# KiCad board Smoothie2Standard.kicad_pcb (continued)
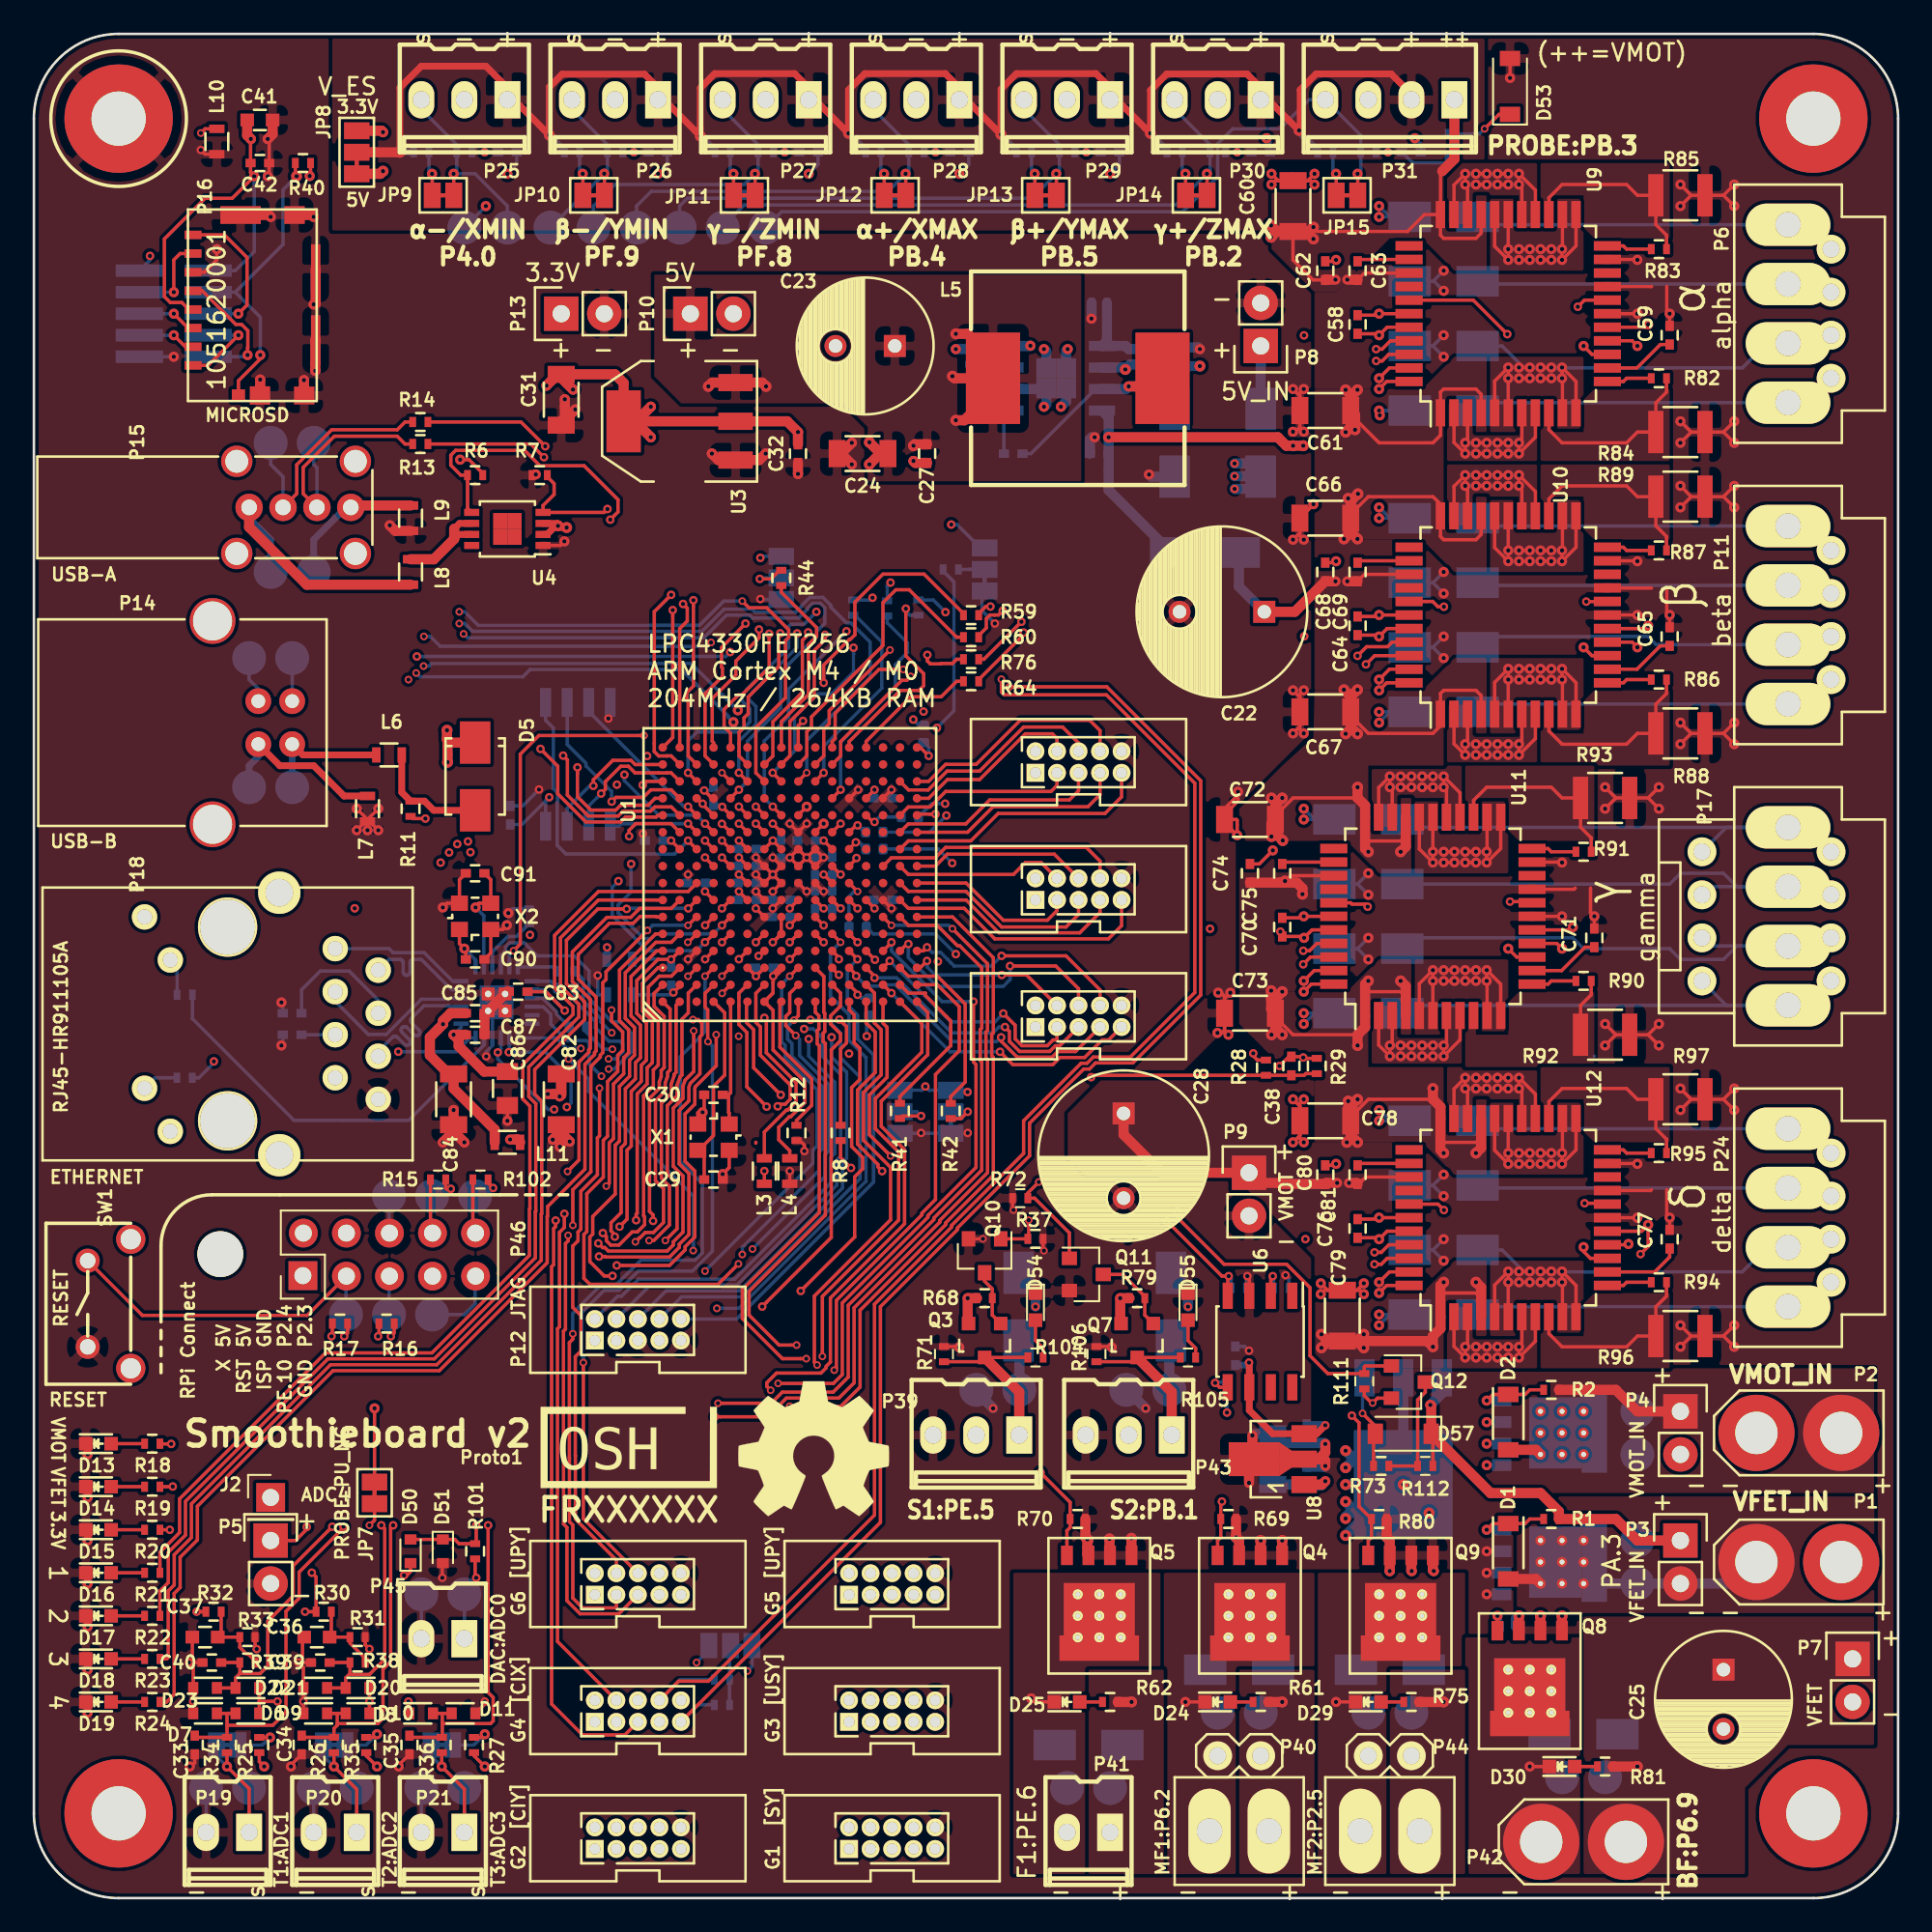
[diagram p0: board, top side]
## Routing (per net, layer and track width the routed paths; a pad name or vN(x,y) marks a point on that pad's centre or on a via; arc(x,y) is an arc through that point) (continued)
/MCU_G4_10: length 27.3
  Top w0.2: R59.1 54.85,75.8 52.53,78.12 50.1,78.12 48.44,76.47 48.44,74.54 48.18,74.28 48.12,74.28 46.6,72.76 v2(46.6,71.71) ; U1.H11 v2(43.6,63.4)
  In3.Cu w0.2: v2(43.6,63.4) 43.1,63.9 43.1,66.15 42.45,66.8 42.45,70.47 42.14,70.79 42.14,70.87 42.48,71.21 42.57,71.21 43.09,71.74 46.22,71.74 46.25,71.71 v2(46.6,71.71)
/MCU_G4_11: length 45.1
  Top w0.2: U4.5 25.82,81.77 25.59,82 25.59,83.56 25.59,83.56 R6.2 25.19,83.97 24.6,84.55 24.6,85.14 24.89,85.43 28.95,85.43 29.86,84.52 32.46,84.52 34.47,82.52 34.47,81.79 v2(34.01,81.34) ; 47.1,62.9 v2(47.6,63.4)
  In4.Cu w0.2: v2(47.6,63.4) 48.11,63.91 48.11,68.8 45.54,71.37 39.22,71.37 34.01,76.59 v2(34.01,81.34)
/MCU_G4_12: length 63.6
  Top w0.2: U1.T1 52.74,52.26 52.74,49.77 50,47.03 50,45.54 51.37,44.17 51.37,39.79 47,35.41 47,31.63 46.75,31.38 46.75,31.29 46.44,30.98 43.82,30.98 43.25,30.41 43.25,30.19 v4(43.47,29.97)
  In3.Cu w0.2: G1.5 49.52,1.78 47.22,1.78 43.85,5.15 43.85,12.47 43.97,12.59 43.97,14.21 43.85,14.33 43.85,28.57 43.76,28.66 43.76,29.68 v4(43.47,29.97)
/MCU_G5_3: length 80.5
  Top w0.2: v2(27.1,41.9) 26.8,42.2 R102.1 ; v3(45.6,64.4) 45.11,63.91 U1.J12
  In3.Cu w0.2: v2(27.1,41.9) 26.65,42.35 24.16,42.35 22.85,43.66 22.85,56.21 19.46,59.6 19.28,59.6 11.05,67.83 11.05,72.04 12.06,73.05 21.13,73.05 21.78,72.4 22.45,72.4 v4(22.56,72.29)
  In4.Cu w0.2: v3(45.6,64.4) 45.6,65.49 41.7,69.39 v3(41.27,69.39)
  Bottom w0.2: v2(27.1,41.9) 26.62,41.42 W21.1 ; v4(22.56,72.29) 22.78,72.06 28.85,72.06 29.28,72.49 38.21,72.49 40.97,69.73 40.97,69.69 v3(41.27,69.39)
/MCU_G5_4: length 84.1
  Top w0.2: v3(46.6,63.4) 46.11,62.91 U1.K11 ; v2(24.6,41.85) 24.35,41.85 24.3,41.9 R15.1
  In3.Cu w0.2: v4(23,72.7) 22.93,72.76 22.33,72.76 21.39,73.7 12.21,73.7 10.7,72.19 10.7,67.69 19.13,59.25 19.31,59.25 22.5,56.07 22.5,43.51 24.16,41.85 v2(24.6,41.85)
  In4.Cu w0.2: 47.1,68.9 47.1,63.9 v3(46.6,63.4) ; 47.1,68.9 47.1,68.9 ; 47.1,68.9 42.73,68.9 v3(41.54,70.09)
  Bottom w0.2: v4(23,72.7) 23.31,72.7 23.46,72.84 38.78,72.84 v3(41.54,70.09) ; W20.1 24.17,41.42 v2(24.6,41.85)
/MCU_G5_5: length 12.2
  Top w0.2: v2(46.6,66.4) 46.11,65.91 U1.K14
  Bottom w0.2: v2(46.6,66.4) 46.6,67.96 50.04,71.4 50.04,74.11 48.45,75.7 R77.1
/MCU_G5_8: length 87.3
  Top w0.2: G4.5 34.87,9.63 32.38,9.63 30.55,11.45 30.55,37.25 30.66,37.37 30.66,39.5 30.79,39.63 v2(30.79,39.98) ; U1.G11 v2(42.6,63.4)
  In3.Cu w0.2: v2(24,61.1) 23.1,60.2 23.1,57.5 26.06,54.54 26.06,45.06 30.79,40.33 v2(30.79,39.98) ; v2(42.6,63.4) 42.1,63.9 42.1,68.03 36.82,68.03 v2(36.18,67.39)
  In4.Cu w0.2: v2(24,61.1) 24,62.49 27.61,66.1 29.11,66.1 30.92,67.91 35.66,67.91 v2(36.18,67.39)
/MCU_G5_9: length 75.9
  Top w0.2: v2(31.3,40.38) 31.3,39.57 31.01,39.29 31.01,33.71 30.9,33.59 30.9,15.14 G4.4 ; U1.F11 v2(41.6,63.4)
  In3.Cu w0.2: v2(24.5,61.7) 24.75,61.45 24.75,57.78 28.55,53.98 28.55,51.65 28.52,51.62 28.52,48.38 28.42,48.28 28.42,46.62 28.65,46.4 28.65,42.99 31.27,40.38 v2(31.3,40.38) ; v2(41.6,63.4) 41.12,63.88 40.44,63.88 40.43,63.89 36.51,63.89 34.7,65.7 v2(34.4,65.7)
  In4.Cu w0.2: v2(34.4,65.7) 33.97,66.13 32.77,66.13 32.72,66.08 29.59,66.08 29.24,65.74 27.74,65.74 24.48,62.48 24.48,62.07 24.5,62.05 v2(24.5,61.7)
/MCU_G5_12: length 56.8
  Top w0.2: U1.E2 40.61,53.4 v4(40.61,53.39)
  In4.Cu w0.2: v4(40.61,53.39) 40.61,53.03 40.76,52.88 40.76,50.71 40.09,50.03 40.09,40.69 35.62,36.21 33.92,36.21 30.6,32.89 30.6,7.94 G2.4
/MCU_G5_13: length 60.7
  Top w0.2: v2(42.97,34.91) 47.05,38.98 47.05,50.05 47.59,50.59 47.59,50.99 47.02,51.57 47.02,52.06 47.59,52.64 47.59,52.66 47.6,52.66 47.6,53.13 47.59,53.13 47.59,53.41 U1.L2
  In3.Cu w0.2: G2.5 36.83,1.71 38.67,1.71 42.95,5.99 42.95,12.56 43.27,12.88 43.27,13.92 42.95,14.24 42.95,29.18 42.77,29.36 42.77,29.5 42.59,29.68 42.59,30.29 42.75,30.44 42.75,34.68 v2(42.97,34.91)
/MCU_G5_14: length 18.2
  Top w0.2: U1.M3 48.52,54.48 v2(48.52,54.41) ; G7.7 61.46,49.95 60.42,49.95 60.08,49.62 58.02,49.62 57.07,50.57 v2(57.07,50.79)
  Bottom w0.2: v2(57.07,50.79) 56.82,50.54 54.18,50.54 50.84,53.89 50.36,53.89 50.29,53.81 49.12,53.81 v2(48.52,54.41)
/MCU_G5_18: length 45.1
  Top w0.2: 48.1,60.9 48.54,61.34 v2(48.54,61.37) ; v2(33.84,81.97) 33.64,81.77 U4.4 30.05,82.18 30.7,82.83 30.7,83.47 30.3,83.87 R7.2
  In3.Cu w0.2: v2(48.54,61.37) 53.87,66.7 53.87,69.25 53.1,70.01 v2(52.5,70.01)
  In4.Cu w0.2: v2(33.84,81.97) 34.2,81.97 34.55,81.61 34.55,77.24 39.52,72.27 50.23,72.27 v2(52.5,70.01)
/MCU_G5_20: length 65
  Top w0.2: U9.41 80.04,91.89 79.55,91.4 v2(79.2,91.4) ; U1.B15 37.6,67.4 37.35,67.4 37.35,67.39 36.87,67.39 36.61,67.65 36.61,68.13 36.61,68.14 36.61,75.91 v2(37.6,76.9)
  In3.Cu w0.2: v2(79.2,91.4) 78.4,91.4 76.4,89.4 76.4,85.5 75.8,84.9 73.8,84.9 71.4,82.5 62.44,82.5 61.18,83.76 48.03,83.76 47.75,83.48 43.51,83.48 37.6,77.58 v2(37.6,76.9)
/MCU_G5_21: length 26.3
  Top w0.2: U1.A14 36.14,65.89 v2(35.92,65.68) ; v2(52.72,73.36) 52.72,73 52.89,72.83 53.51,72.83 53.53,72.85 54.2,72.85 54.45,73.1 R76.1
  In3.Cu w0.2: v2(35.92,65.68) 35.92,66.91 35.53,67.31 35.53,68.83 39.37,72.67 50.23,72.67 50.91,73.36 v2(52.72,73.36)
/MCU_G5_22: length 85.7
  Top w0.2: U1.B12 37.61,64.39 36.64,64.39 36.39,64.14 34.76,64.14 34.48,63.85 32.72,63.85 31.48,65.09 31.48,67.16 v2(31.23,67.41)
  In3.Cu w0.2: v2(31.23,67.41) 31.23,77.18 28.45,79.96 28.45,93.84 34.46,99.85 68.19,99.85 71,102.66 v2(71,103.02)
  Bottom w0.2: C48.1 v2(71,103.02) R50.1
/MCU_G5_23: length 95.7
  Top w0.2: v2(32.07,66.72) 32.07,64.99 32.86,64.2 34.33,64.2 34.62,64.49 36.24,64.49 36.65,64.89 U1.A13
  In3.Cu w0.2: v2(32.07,66.72) 32.07,76.83 28.8,80.1 28.8,93.7 34.6,99.5 76.74,99.5 79.9,102.66 v2(79.9,103.02)
  Bottom w0.2: R51.1 v2(79.9,103.02) C49.1 81.34,102.4 83.3,102.4 D52.2
/MCU_G5_24: length 69.8
  Top w0.2: v2(35.12,62.66) 35.12,63.01 35.51,63.4 37.6,63.4 U1.B11
  In3.Cu w0.2: v2(53.2,103.02) 53.2,102.66 51.09,100.55 34.17,100.55 27.75,94.13 27.75,79.67 29.33,78.09 29.33,67.65 29.67,67.31 30.62,67.31 31.08,66.86 31.23,66.86 32.31,65.78 32.31,65.47 v2(35.12,62.66)
  Bottom w0.2: C46.1 v2(53.2,103.02) R48.1
/MCU_G5_25: length 76.5
  Top w0.2: v2(29.89,67.81) 30.91,66.8 30.91,65.16 32.57,63.5 34.62,63.5 34.91,63.79 36.72,63.79 36.82,63.89 U1.A12
  In3.Cu w0.2: v2(62.1,103.02) 62.1,102.66 59.64,100.2 34.31,100.2 28.1,93.99 28.1,79.81 29.89,78.02 v2(29.89,67.81)
  Bottom w0.2: R49.1 v2(62.1,103.02) C47.1
/MCU_G5_26: length 65
  Top w0.2: R24.1 7.84,11.58 8.27,12.01 8.27,17.97 8.63,18.33 8.63,20.12 9.65,21.13 9.65,23.12 17.64,31.12 23.92,31.12 30.29,37.49 30.29,40.22 30.32,40.25 30.32,40.81 32.51,43.01 32.51,49.21 33.08,49.77 33.08,49.9 33.17,49.99 33.17,53.17 32.12,54.22 32.12,55.69 33.95,57.52 35.36,57.52 35.77,57.92 36.72,57.92 36.75,57.89 U1.A6
/MCU_G6_10: length 59.9
  Top w0.2: U1.L5 v4(47.6,56.4)
  In3.Cu w0.2: G4.3 35.82,8.95 38.44,8.95 40.93,11.43 40.93,13.92 41.2,14.19 41.2,24.51 41,24.71 41,28 41.02,28.03 41.02,28.77 40.84,28.96 40.84,34.26 v4(40.3,34.8)
  Bottom w0.2: v4(47.6,56.4) 47,55.8 47,53.22 48.1,52.12 48.1,50.6 49.1,49.6 49.1,42.3 41.6,34.8 v4(40.3,34.8)
/MCU_G6_12: length 49.6
  Top w0.2: U1.M1 48.11,52.41 48.4,52.12 48.4,50.47 48.74,50.14 48.74,48.31 48.25,47.82 48.25,44.35 48.9,43.7 48.9,43.03 48.43,42.56 48.43,39.01 v2(45.25,35.83)
  In3.Cu w0.2: G3.4 54.75,17.05 54.75,18.48 54.75,18.48 54.75,19.82 48.44,26.13 48.44,31.68 45.25,34.87 v2(45.25,35.83)
/MCU_G6_13: length 52.3
  Top w0.2: U1.N1 49.11,51.63 49.64,51.1 49.64,48.72 48.6,47.68 48.6,44.49 49.8,43.3 49.8,43.15 v2(50.05,42.9)
  In3.Cu w0.2: G3.5 51.79,9.25 53.67,9.25 56.5,12.08 56.5,17.76 56.5,17.76 56.5,20.54 50.19,26.86 50.19,42.4 50.05,42.54 v2(50.05,42.9)
/MCU_G6_14: length 40.5
  Top w0.2: v4(46.21,31.45) 46.05,31.62 46.05,35.52 50.55,40.02 50.55,43.12 48.95,44.72 48.95,47.53 49.99,48.58 49.99,51.24 49.6,51.64 49.6,53.4 U1.N2
  In3.Cu w0.2: v4(46.21,31.45) 46.4,31.27 46.4,30.78 46.97,30.21 46.97,24.11 G5.8
/MCU_G6_15: length 54
  Top w0.2: U1.P1 50.11,51.63 50.34,51.39 50.34,48.43 49.3,47.39 49.3,45.05 v4(50.55,43.8)
  In3.Cu w0.2: G3.3 50.87,8.9 53.82,8.9 56.85,11.93 56.85,17.61 56.85,17.61 56.85,20.69 50.55,26.99 v4(50.55,43.8)
/MCU_G6_16: length 42.6
  Top w0.2: v4(46.53,31.97) 46.53,35.5 51.03,40 51.03,44.02 49.65,45.4 49.65,47.17 52.39,49.91 52.39,51.61 U1.R1
  In3.Cu w0.2: G5.9 54.05,18.77 54.05,19.53 47.35,26.23 47.35,30.32 46.75,30.92 46.75,31.74 v4(46.53,31.97)
/MCU_G6_17: length 69.2
  Top w0.2: U1.P4 50.6,56.39 v2(50.6,56.4) ; v2(55.44,52.9) 55.44,49.34 55.59,49.19 55.59,43.11 52.75,40.27 52.75,40.17 47.7,35.12 47.7,30.89 47.18,30.37 v4(43.91,30.37)
  In3.Cu w0.2: v4(43.91,30.37) 44.11,30.18 44.11,28.8 44.2,28.71 44.2,14.48 44.32,14.35 44.32,12.45 44.2,12.32 44.2,5.3 47.38,2.13 49.34,2.13 49.37,2.16 G1.3
  Bottom w0.2: v2(55.44,52.9) 53.6,52.9 50.6,55.9 v2(50.6,56.4)
/MCU_G6_18: length 46.8
  Top w0.2: U1.T2 53.31,53.89 54.6,52.6 54.6,50 53.2,48.6 53.2,41.22 52.4,40.42 52.4,40.32 47.35,35.27 47.35,31.28 v4(47.23,31.15)
  In3.Cu w0.2: G5.7 52.68,17.13 53.53,17.13 54.4,18 54.4,18.62 54.4,18.63 54.4,19.67 47.91,26.16 47.91,30.46 v4(47.23,31.15)
/MCU_G6_19: length 64.4
  Top w0.2: U1.P6 v4(50.6,57.4) ; v4(40.2,28.4) 43.3,28.4 44.41,29.51 47.5,29.51 48.4,30.41 48.4,34.83 53.45,39.88 53.45,39.98 56.27,42.8 56.27,49.47 56.18,49.56 56.18,51.1 56.27,51.2 56.27,55.13 v4(54.2,57.2)
  In3.Cu w0.2: G4.6 37.07,13.1 39.4,13.1 40.2,13.9 v4(40.2,28.4)
  Bottom w0.2: v4(54.2,57.2) 54,57.4 v4(50.6,57.4)
/MCU_G6_20: length 64.4
  Top w0.2: v4(40.37,29.2) 43.51,29.2 44.16,29.86 47.16,29.86 48.05,30.74 48.05,34.98 53.1,40.03 53.1,40.13 55.93,42.96 55.93,49.33 55.84,49.42 55.84,51.25 55.93,51.34 55.93,54.89 54.64,56.19 54.51,56.19 53.3,57.39 51.61,57.39 U1.R6
  In3.Cu w0.2: G4.7 37.68,9.63 38.55,9.63 40.58,11.65 40.58,14.06 40.62,14.11 40.62,28.12 40.67,28.17 40.67,28.63 40.37,28.94 v4(40.37,29.2)
/MCU_G6_21: length 65.6
  Top w0.2: U1.T6 54.21,57.89 56.61,55.49 56.61,51.06 56.52,50.96 56.52,49.7 56.61,49.61 56.61,42.65 53.8,39.84 53.8,39.74 48.75,34.69 48.75,30.16 47.62,29.02 v4(44.59,29.02)
  In3.Cu w0.2: v4(44.59,29.02) 44.59,14.58 44.67,14.5 44.67,8.87 G1.4
/MCU_G6_23: length 13
  Top w0.2: U1.T11 55.09,62.89 56.6,64.4 62.2,64.4 62.91,65.11 G9.7
/MCU_G6_27: length 13.8
  Top w0.2: U1.T14 52.79,65.89 53.8,66.9 55.6,66.9 58.2,69.5 62.3,69.5 62.91,68.89 G9.8
/MCU_G6_30: length 13.2
  Top w0.2: G9.6 61.64,68.16 60.7,69.1 58.4,69.1 55.8,66.5 53.88,66.5 52.77,65.38 51.61,65.38 U1.R14
/MCU_G7_5: length 7.6
  Top w0.2: R64.1 54.45,71.8 53.54,70.89 51.74,70.89 49.11,68.25 U1.N16
/MCU_G7_6: length 12.1
  Top w0.2: U1.M16 48.11,68.25 51.12,71.26 52.22,71.26 52.5,71.54 52.5,72.25 51.45,73.3 v2(51.45,76.08)
  Bottom w0.2: R66.1 51.7,75.7 51.45,75.95 v2(51.45,76.08)
/MCU_G7_7: length 66.9
  Top w0.2: v2(44.04,74.63) 43.95,74.55 43.95,72.68 42.15,70.87 42.15,69.89 41.9,69.64 41.9,69.09 41.61,68.8 41.61,68.14 41.61,68.13 41.61,67.65 41.61,67.65 41.61,67.39 U1.F15 ; v2(87.1,58.8) 88.33,58.8 U11.18
  In3.Cu w0.2: v2(87.1,58.8) 82.5,58.8 79.4,61.9 79.4,65.5 74.25,70.65 69.54,70.65 61.57,78.63 61.28,78.63 60.29,79.61 55.14,79.61 55.03,79.49 52.38,79.49 51.65,80.22 49.44,80.22 44.29,75.07 44.29,74.88 v2(44.04,74.63)
/MCU_G7_8: length 61
  Top w0.2: v2(74.9,55.1) 75.33,55.53 U11.42 ; v2(41.6,66.4) 42.11,65.89 U1.F14
  In3.Cu w0.2: v2(74.9,55.1) 74.05,55.95 74.05,57.27 73.4,57.92 73.4,58.89 73.2,59.09 73.2,60.45 72.02,61.63 72.02,67.18 61.28,77.93 60.99,77.93 60,78.91 55.43,78.91 55.32,78.79 52.09,78.79 51.37,79.52 49.73,79.52 46.72,76.52 46.72,75.62 46.52,75.41 46.29,75.41 46.1,75.23 45.28,75.23 45.04,74.98 v2(45.04,74.63)
  Bottom w0.2: v2(41.6,66.4) 41.6,68.27 42.6,69.27 42.6,70.32 42.15,70.77 42.15,70.88 42.43,71.16 42.43,71.2 45.04,73.8 v2(45.04,74.63)
/MCU_G7_9: length 52
  Top w0.2: v2(78.6,72.8) 79.11,73.31 U10.42 ; v2(43.39,74.6) 43.39,72.61 41.77,70.99 41.57,70.99 40.73,70.14 40.73,69.12 41.11,68.74 U1.E16
  In3.Cu w0.2: v2(78.6,72.8) 67.89,72.8 61.71,78.98 61.51,78.98 60.52,79.96 55,79.96 54.89,79.85 52.52,79.85 51.8,80.57 49.29,80.57 48.74,80.03 48.46,80.03 43.39,74.96 v2(43.39,74.6)
/MCU_G7_10: length 79.2
  Top w0.2: v4(40.6,66.4) 41.11,65.89 U1.E14
  In3.Cu w0.2: v4(22.1,71.9) 21.78,71.9 20.98,72.7 12.3,72.7 11.4,71.8 11.4,67.98 19.42,59.95 19.6,59.95 23.2,56.36 23.2,43.9 24.2,42.9 27,42.9 27.7,42.2 27.7,39.25 26.25,37.8 24.62,37.8 P46.7
  In4.Cu w0.2: v4(22.1,71.9) 22.2,71.8 35.2,71.8 v4(40.6,66.4)
/MCU_G7_11: length 52.6
  Top w0.2: U1.D16 40.11,68.18 40.03,68.26 40.03,70.78 41.42,72.17 41.42,72.99 42.79,74.36 v2(42.79,74.86) ; v2(78.1,73.3) 78.64,73.84 79.87,73.84 80.15,74.11 U10.41
  In3.Cu w0.2: v2(78.1,73.3) 67.88,73.3 61.86,79.33 61.65,79.33 60.67,80.31 54.85,80.31 54.74,80.2 52.67,80.2 51.94,80.92 49.15,80.92 48.6,80.38 48.31,80.38 v2(42.79,74.86)
/MCU_G7_12: length 67.2
  Top w0.2: U1.D15 39.6,67.4 39.6,71.06 40.63,72.09 40.63,72.57 40.57,72.63 40.57,73.79 v2(41.99,75.21) ; v2(91.6,76.5) 92.84,76.5 U10.18
  In3.Cu w0.2: v2(41.99,75.21) 42.34,75.21 47.86,80.73 48.45,80.73 49,81.27 52.09,81.27 52.81,80.55 54.6,80.55 54.71,80.66 60.81,80.66 61.8,79.68 62,79.68 67.86,73.81 88.91,73.81 v2(91.6,76.5)
/MCU_G7_13: length 113.8
  Top w0.2: U1.G14 42.6,66.4 42.6,69.08 44.35,70.82 44.35,74.2 44.54,74.39 44.54,74.84 43.24,76.14 42.19,76.14 v4(41.8,76.53)
  In3.Cu w0.2: v4(38.9,38.21) 39.22,38.21 41.7,35.73 41.7,30.88 41.54,30.72 41.54,29.25 41.72,29.06 41.72,28.92 41.9,28.75 41.9,13.87 41.63,13.6 41.63,8.89 G2.8 ; v4(31.55,49.51) 31.45,49.61 31.45,50.56 32.15,51.26 32.15,52.88 31.46,53.57 31.46,56.69 31.33,56.82 31.33,57.98 30.84,58.47 30.84,59.23 30.35,59.73 30.35,59.79 30.33,59.81 30.33,60.22 23.7,66.85 23.7,72.2 23.82,72.33 23.82,74.62 v4(25.1,75.9)
  Bottom w0.2: v4(31.55,49.51) 32.73,48.33 32.73,47.61 38.92,41.42 38.92,38.54 38.9,38.53 v4(38.9,38.21) ; v4(25.1,75.9) 25.42,75.9 26.22,75.1 39.28,75.1 40.71,76.53 v4(41.8,76.53)
/MCU_G7_14: length 62.7
  Top w0.2: U1.C15 38.61,67.39 38.61,70.59 38.53,70.67 38.53,71.13 38.91,71.52 v2(38.91,76.59) ; v2(79.2,90.7) 79.55,90.7 79.94,91.09 U9.42
  In3.Cu w0.2: v2(38.91,76.59) 38.91,78.4 43.65,83.13 47.89,83.13 48.17,83.41 61.03,83.41 62.29,82.15 71.54,82.15 73.94,84.55 75.94,84.55 76.75,85.36 76.75,89.25 78.2,90.7 v2(79.2,90.7)
/MCU_G7_15: length 125.6
  Top w0.2: v4(41.57,37.42) 40.36,36.21 32.81,36.21 32.45,36.57 32.45,39.16 32.62,39.33 32.62,41.57 33.6,42.54 33.6,44.71 33.85,44.96 33.85,48.18 34.45,48.78 34.45,49.73 34.74,50.02 34.74,51.11 34.08,51.77 v4(34.08,52.4) ; U1.E13 41.11,64.91 v2(41.6,65.4)
  In3.Cu w0.2: v4(41.57,37.42) 42.05,36.95 42.05,30.73 41.89,30.58 41.89,29.39 42.07,29.21 42.07,29.07 42.25,28.89 42.25,13.95 42.57,13.63 42.57,13.17 42.25,12.85 42.25,6.97 G2.9 ; v4(25.35,74.6) 25.38,74.57 25.38,66.16 31.03,60.51 31.03,60.04 31.54,59.52 31.54,58.76 32.03,58.27 32.03,57.11 32.16,56.98 32.16,54.32 v4(34.08,52.4)
  Bottom w0.2: v4(25.35,74.6) 25.58,74.37 39.54,74.37 40.87,75.71 42.23,75.71 42.41,75.52 45.12,75.52 45.67,76.08 45.67,76.14 45.93,76.4 46.41,76.4 46.67,76.14 46.67,75.23 46.18,74.74 46.18,74.45 44.06,72.33 44.06,70.23 43.57,69.74 ; v2(41.6,65.4) 42.1,65.9 42.1,68.27 43.57,69.74 ; 43.57,69.74 43.57,69.77
/MCU_G7_16: length 92
  Top w0.2: U1.E11 40.61,63.39 v2(40.6,63.39)
  In3.Cu w0.2: v2(24.98,62.19) 25.26,61.92 25.26,61.47 27.53,59.2 27.76,59.2 28.58,58.38 28.58,57.38 28.42,57.22 28.42,56.48 28.77,56.13 28.77,55.77 28.9,55.64 28.9,51.51 28.87,51.47 28.87,48.23 28.77,48.13 28.77,46.77 29,46.54 29,43.17 31.29,40.88 31.58,40.88 32.34,40.13 34.79,40.13 35.04,39.88 35.04,39.76 35.51,39.29 42.12,39.29 44.05,37.35 44.05,30.93 44.65,30.33 44.65,30.06 45.22,29.48 45.22,9.59 G1.6
  In4.Cu w0.2: v2(24.98,62.19) 24.98,62.49 26.5,64.01 36.47,64.01 36.57,63.9 40.08,63.9 v2(40.6,63.39)
/MCU_G7_17: length 212.7
  Top w0.2: v3(91.44,91.59) 91.94,91.09 U9.14 ; v3(91.44,73.81) 91.94,73.31 U10.14 ; v3(87,56.03) 87.49,55.53 U11.14 ; v3(91.44,38.41) 91.44,38.16 91.84,37.75 U12.14 ; U1.D11 v2(39.6,63.4)
  In3.Cu w0.2: v2(34.84,66.29) 34.84,66.64 34.83,66.66 34.83,70.29 40.98,76.44 40.98,78.48 44.23,81.74 48.47,81.74 48.75,82.01 60.45,82.01 61.72,80.75 72.13,80.75 74.56,83.18 76.76,83.18 77.55,83.97 78.65,83.97 85.97,91.28 91.14,91.28 v3(91.44,91.59)
  In4.Cu w0.2: v3(91.44,91.59) 91.44,90.95 93.34,89.05 93.34,76.34 91.44,74.44 v3(91.44,73.81) 91.44,73.17 93.98,70.63 93.98,63.65 87,56.66 v3(87,56.03) 87,54.76 93.34,48.41 93.34,40.32 v3(91.44,38.41) 91.44,33.83 88.95,31.34 73.85,31.34 72.36,29.85 69.36,29.85 68.15,28.65 68.15,26.03 67.23,25.1 60.1,25.1 53.95,18.95 53.95,6.21 G1.8
  Bottom w0.2: v2(39.6,63.4) 39.1,63.9 36.88,63.9 34.84,65.93 v2(34.84,66.29)
/MCU_G7_18: length 221.5
  Top w0.2: v3(94.62,91.59) 94.31,91.89 U9.15 ; v3(94.62,73.81) 94.65,73.77 v3(94.62,73.81) ; v3(94.62,73.81) 94.31,74.11 U10.15 ; v3(90.17,56.03) 89.87,56.33 U11.15 ; v3(94.09,38.6) 94.04,38.55 U12.15 ; U1.E10 v2(40.6,62.4)
  In3.Cu w0.2: 38.36,62.9 39.36,62.9 39.36,62.9 40.1,62.9 v2(40.6,62.4) ; v3(94.62,91.59) 94.07,92.13 87.58,92.13 87.07,91.63 85.82,91.63 78.51,84.32 77.4,84.32 76.6,83.52 74.4,83.52 71.98,81.1 61.86,81.1 60.6,82.36 48.61,82.36 48.33,82.09 44.09,82.09 40.63,78.62 40.63,76.6 34.4,70.37 34.4,66.57 33.8,65.97 33.8,65.58 34.18,65.2 34.61,65.2 36.91,62.9 38.36,62.9
  In4.Cu w0.2: v3(94.62,91.59) 93.98,90.95 93.98,75.08 94.62,74.44 v3(94.62,73.81) 94.62,63.65 89.53,58.57 89.53,57.3 90.17,56.66 v3(90.17,56.03) 93.85,52.35 93.85,39.26 94.09,39.02 v3(94.09,38.6) 94.98,38.6 95.37,38.21 95.37,36.58 89.34,30.55 77.45,30.55 76.05,29.15 70.14,29.15 69.15,28.16 69.15,26.03 67.37,24.25 60.49,24.25 54.65,18.41 54.65,3.88 53.95,3.18 53.95,2.53 53.55,2.13 52.81,2.13 52.68,2.25 52.68,2.13 G1.7
/MCU_G7_19: length 87.7
  Top w0.2: U1.E9 v2(40.6,61.4)
  In3.Cu w0.2: G3.6 55.1,16.13 55.1,18.33 55.1,18.34 55.1,19.96 48.79,26.28 48.79,32.18 45.75,35.22 45.75,37.14 42.08,40.81 35.44,40.81 35.11,40.48 32.48,40.48 31.73,41.23 31.46,41.23 29.35,43.34 29.35,46.69 29.12,46.91 29.12,47.99 29.22,48.09 29.22,51.33 29.25,51.36 29.25,55.79 29.12,55.92 29.12,56.27 28.77,56.62 28.77,57.07 28.93,57.23 28.93,58.53 26.01,61.45 26.01,61.46 v2(25.76,61.71)
  In4.Cu w0.2: v2(25.76,61.71) 27.25,63.21 35.6,63.21 35.7,63.31 36.18,63.31 36.44,63.05 36.44,62.85 37.39,61.9 38.84,61.9 38.84,61.9 40.1,61.9 v2(40.6,61.4)
/MCU_G7_20: length 76.5
  Top w0.2: v2(40.6,58.4) 41.09,58.89 U1.E7
  In3.Cu w0.2: v2(29.27,56.83) 29.47,56.63 29.47,56.06 29.6,55.93 29.6,51.22 29.57,51.18 29.57,47.94 29.47,47.84 29.47,47.06 29.7,46.83 29.7,43.48 31.6,41.58 31.87,41.58 32.63,40.83 34.32,40.83 34.65,41.16 42.22,41.16 46.1,37.28 46.1,35.36 49.14,32.32 49.14,26.42 55.45,20.11 55.45,18.19 55.45,18.19 55.45,15.21 G3.8
  In4.Cu w0.2: v2(29.27,56.83) 30.31,57.87 35.22,57.87 35.25,57.9 39.37,57.9 39.87,58.4 v2(40.6,58.4)
/MCU_G7_21: length 74.2
  Top w0.2: U1.B7 37.61,58.4 35.75,58.4 35.22,57.87 33.81,57.87 31.77,55.83 31.77,54.09 32.83,53.03 32.83,50.14 32.74,50.05 32.74,49.91 32.16,49.34 32.16,43.56 v4(31.49,42.88)
  In3.Cu w0.2: G3.7 52.68,9.63 53.55,9.63 56.15,12.22 56.15,17.9 56.15,17.9 56.15,20.4 49.84,26.71 49.84,32.61 46.8,35.65 46.8,37.57 42.51,41.86 34.36,41.86 34.03,41.53 33.16,41.53 31.81,42.88 v4(31.49,42.88)
/MCU_G7_22: length 70.3
  Top w0.2: v2(40.6,57.4) 41.09,57.89 U1.E6
  In3.Cu w0.2: v2(35.24,61.03) 34.99,61.28 34.81,61.28 34.52,61.56 34.52,62.74 31.96,65.3 31.96,65.63 31.08,66.51 30.93,66.51 30.48,66.96 29.53,66.96 28.98,67.51 28.98,77.94 27.4,79.52 27.4,94.28 34.02,100.9 34.12,100.9 36.24,103.02 v2(44.3,103.02)
  Bottom w0.2: R47.1 v2(44.3,103.02) C45.1 ; v2(35.24,61.03) 35.24,59.37 34.48,58.61 34.48,58.13 35.98,56.63 36.43,56.63 36.7,56.9 39.36,56.9 39.36,56.9 40.1,56.9 v2(40.6,57.4)
/MCU_G7_23: length 59.4
  Top w0.2: v2(39.61,57.4) 39.61,57.4 U1.D6
  In3.Cu w0.2: v2(35.4,103.02) 35.15,102.77 35.15,102.42 33.98,101.25 33.88,101.25 27.05,94.42 27.05,79.38 28.63,77.8 28.63,67.36 29.38,66.61 30.33,66.61 30.79,66.16 30.94,66.16 31.61,65.49 31.61,65.04 34.17,62.47 34.17,61.41 34.2,61.39 34.2,61.32 34.99,60.53 34.99,59.06 37.15,56.9 39.11,56.9 v2(39.61,57.4)
  Bottom w0.2: R46.1 v2(35.4,103.02) C44.1
/MCU_G7_24: length 47.6
  Top w0.2: v2(35.54,40) 35.54,40.35 35.6,40.42 35.6,47.46 36.18,48.04 36.18,48.99 36.49,49.3 36.49,51.76 35.91,52.34 35.91,53.99 36.82,54.89 U1.A3
  In3.Cu w0.2: v2(35.54,40) 36,40.46 41.93,40.46 44.75,37.64 44.75,34.87 45.67,33.95 45.67,32.63 45.1,32.06 45.1,31.37 45.7,30.77 45.7,30.49 46.27,29.92 46.27,22.27 G5.4
/MCU_G7_25: length 49.5
  Top w0.2: v2(36.54,39.96) 36.54,40.31 36.33,40.52 36.33,47.19 36.9,47.77 36.9,48.16 37.01,48.47 37.01,48.83 37.19,49.01 37.19,52.03 36.59,52.62 36.59,53.38 U1.A2
  In3.Cu w0.2: v2(36.54,39.96) 41.94,39.96 44.4,37.5 44.4,31.08 45,30.48 45,30.2 45.57,29.63 45.57,18.43 47.23,16.78 49.52,16.78 G5.5
/MCU_PF_4: length 87.9
  Top w0.2: U1.D10 v2(39.6,62.4)
  In3.Cu w0.2: v2(25.61,62.35) 26.08,62.35 28.83,59.6 28.83,59.19 28.85,59.17 28.85,59.1 29.34,58.61 29.34,57.84 29.83,57.36 29.83,56.2 29.95,56.08 29.95,51.07 29.92,51.04 29.92,47.78 29.82,47.68 29.82,47.2 30.05,46.98 30.05,43.62 31.75,41.93 32.02,41.93 32.77,41.18 34.17,41.18 34.5,41.51 42.37,41.51 46.45,37.43 46.45,35.51 49.49,32.47 49.49,26.57 55.8,20.25 55.8,18.05 55.8,18.05 55.8,13.02 G3.9
  In4.Cu w0.2: v2(25.61,62.35) 26.82,63.56 35.45,63.56 35.55,63.66 36.32,63.66 37.08,62.9 39.1,62.9 v2(39.6,62.4)
/MCU_SCL0: length 99.2
  Top w0.2: G4.9 49.95,22.17 49.95,34.9 54.5,39.45 54.5,39.55 58.75,43.8 58.75,45.73 61.94,48.92 62.28,48.92 62.64,49.28 64.85,49.28 68.85,53.29 68.85,65.93 63.3,71.47 v4(57.56,71.47) ; U1.L15 47.61,67.39 47.61,68.25 51.22,71.86 51.51,71.86 v4(51.73,72.09)
  In4.Cu w0.2: v4(57.56,71.47) 57.34,71.25 52.57,71.25 v4(51.73,72.09)
  Bottom w0.2: R10.2 39.18,11.4 G4.9
/MCU_SDA0: length 101.5
  Top w0.2: U1.L16 47.11,68.25 47.28,68.42 47.28,69.91 49.87,72.5 v4(51.3,72.5) ; G4.8 38.04,12.8 39.8,12.8 49.6,22.6 49.6,35.04 54.15,39.6 54.15,39.69 58.4,43.94 58.4,45.87 61.79,49.26 62.14,49.26 62.51,49.63 64.7,49.63 68.5,53.43 68.5,65.78 63.28,71 57.25,71 57.09,71.16 v4(57.09,71.92)
  In4.Cu w0.2: v4(57.09,71.92) 56.86,71.7 52.9,71.7 51.88,72.72 51.52,72.72 v4(51.3,72.5)
  Bottom w0.2: R9.2 38.14,12.9 G4.8 36.9,11.68
/MCU_TCK: length 33
  Top w0.2: v2(44.6,56.4) 45.09,56.89 U1.J5
  In3.Cu w0.2: v2(44.6,56.4) 45.32,55.68 45.32,51.41 v2(45.45,51.28)
  Bottom w0.2: v2(45.45,51.28) 46,51.28 46.52,50.76 46.52,49.68 47.61,48.59 47.61,43.8 47.36,43.55 47.36,42.05 41.49,36.18 36.38,36.18 P12.4
/MCU_TDI: length 31.2
  Top w0.2: U1.J4 44.61,55.4 v2(44.6,55.4)
  In4.Cu w0.2: v2(44.6,55.4) 45.58,54.42 45.58,52.06 v2(45.82,51.82)
  Bottom w0.2: P12.8 38.22,35.48 41.78,35.48 48.75,42.44 48.75,48.44 47.6,49.59 47.6,51.05 46.82,51.82 v2(45.82,51.82)
/MCU_TDO: length 31.1
  Top w0.2: U1.K5 46.11,56.89 v2(46.6,56.4)
  In3.Cu w0.2: v2(47.07,50.8) 46.6,51.27 v2(46.6,56.4)
  Bottom w0.2: P12.6 37.3,35.83 41.64,35.83 47.71,41.9 47.71,43.41 47.96,43.65 47.96,48.74 47.07,49.63 v2(47.07,50.8)
/MCU_TMS: length 34.5
  Top w0.2: U1.K6 46.11,57.89 v2(46.6,57.4)
  In4.Cu w0.2: v2(45.72,50.7) 45.75,50.72 45.8,50.72 46.41,51.33 46.41,52.04 46.1,52.35 46.1,56.9 v2(46.6,57.4)
  Bottom w0.2: v2(45.72,50.7) 45.72,49.68 47.26,48.14 47.26,43.94 47.01,43.7 47.01,42.19 41.35,36.53 35.68,36.53 34.67,35.51 34.44,35.51 P12.2
/MCU_XTAL1: length 11.6
  Top w0.2: C29.2 39.55,43.75 X1.2 39.23,44.12 40.1,45 40.1,47.9 40.76,48.56 40.76,52.24 U1.D1 40.1,52.9
/MCU_XTAL2: length 7.7
  Top w0.2: 41.05,45.7 X1.1 41.02,46.33 40.99,46.36 40.99,47.4 ; U1.E1 41.11,52.61 41.11,52.61 41.11,47.52 40.99,47.4 ; C30.2 40.99,47.4
/MCU_~{ISP}: length 95.5
  Top w0.2: v2(21.06,33.15) 21.26,33.35 R16.2 ; v2(43.59,66.4) 44.09,65.9 44.1,65.9
  In3.Cu w0.2: v2(41.08,73.52) 41.54,73.98 47.48,73.98 47.56,73.9 48.24,73.9 v2(48.36,73.78) ; P46.5 22.15,37.87 22.15,55.92 19.17,58.9 18.99,58.9 10.35,67.54 10.35,72.33 12.07,74.05 21.81,74.05 v2(22.6,73.26)
  Bottom w0.2: P46.5 20.95,36.68 W14.1 ; v2(43.59,66.4) 44.88,67.69 44.88,69.69 46.25,71.06 47.08,71.06 48.36,72.34 v2(48.36,73.78) ; v2(41.08,73.52) 40.82,73.26 v2(22.6,73.26) ; 21.06,34.4 v2(21.06,33.15)
/MCU_~{RESET}: length 74.2
  Top w0.2: v2(18.31,33.15) 18.51,33.35 R17.2 ; U1.D9 v2(39.6,61.4) ; SW1.1 6.4,34.38 16.12,34.38 P46.3
  In3.Cu w0.2: 21.74,49.8 21.5,49.56 21.5,41.39 19.59,39.48 19.59,37.85 P46.3 ; 21.74,49.8 21.74,55.6 v2(18.93,58.4) ; 21.74,49.8 21.59,49.94 v2(21.5,49.94)
  In4.Cu w0.2: v2(39.6,61.4) 35.7,61.4 35.49,61.61 26.46,61.61 23.25,58.4 v2(18.93,58.4)
  Bottom w0.2: v2(18.31,33.15) 18.41,33.26 W15.1 18.41,36.68 P46.3 ; U13.24 25.73,50.75 24.92,49.94 v2(21.5,49.94)
/MCU_~{TRST}: length 29.4
  Top w0.2: U1.M4 48.59,55.41 v2(48.59,55.4)
  Bottom w0.2: v2(48.59,55.4) 48,54.8 48,52.7 48.59,52.11 48.59,50.7 49.55,49.74 49.55,42.26 41.46,34.17 P12.10
/MOTOR0/BRA: length 11.3
  Top w0.2: R82.2 96.34,88.86 95.71,88.23 R84.1 94.62,86.5 93.98,85.87 90.17,85.87 89.4,86.65 U9.9
/MOTOR0/BRB: length 11.3
  Top w0.2: U9.25 89.4,100.34 90.17,101.11 93.98,101.11 94.62,100.48 R85.1 95.71,98.75 96.34,98.12 R83.2